# Altium PCB 运输机器人3-1.PcbDoc (part 2 of 2)
Units mm, origin at the board's own origin, x right, y up, seen from the top; angles counter-clockwise.
Board outline 125.02 x 100 mm, 2 copper layers (Top Layer, Bottom Layer); 140 components, 101 nets, 574 pads, 150 vias.
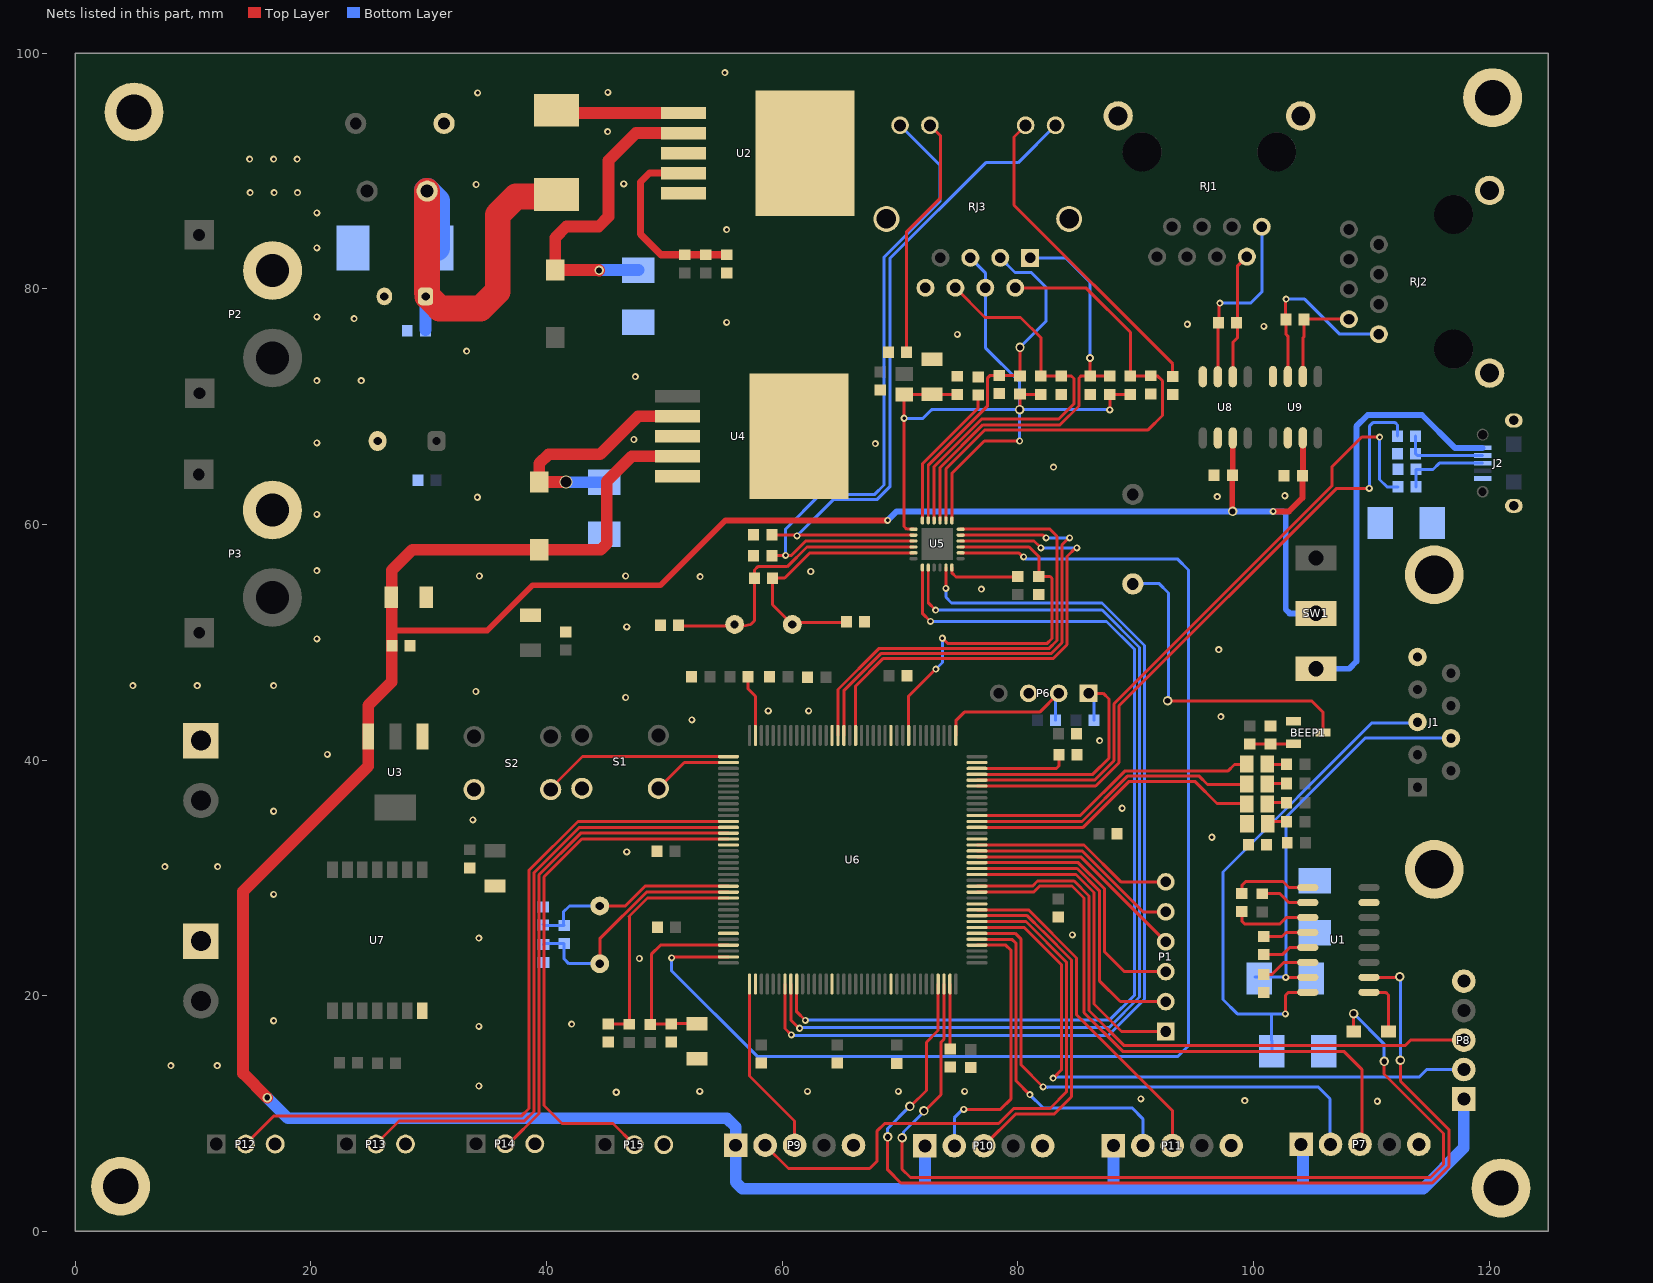
[diagram p2: the nets of this part, all layers, seen from the top]

## Via types
v1: diameter 0.6, hole 0.3, Top Layer to Bottom Layer, 131 vias
v2: diameter 0.8, hole 0.5, Top Layer to Bottom Layer, 15 vias
v3: diameter 0.6, hole 0.35, Top Layer to Bottom Layer, 2 vias
v4: diameter 1.1, hole 0.9, Top Layer to Bottom Layer, 1 vias
v5: diameter 0.66, hole 0.36, Top Layer to Bottom Layer, 1 vias

## Nets (pads, with @x,y where several pads share a name; then routed paths per layer and width w, separated by ;. In a path a pad name is that pad's centre, name@x,y a point inside that pad or via, vN(x,y) a via of type N, cw(c..) or ccw(c..) an arc to the next point about the centre after c; other vN are vias at no path point) (continued)
ETH_RESET: R17.2 U5.15 U6.117 | length 34.2
  Top Layer w0.254: U6.117@70.739,42.097 70.739,45.441 72.949,47.65 v1@73.203,47.65 ; v1(73.609,50.343) 74.074,49.878 82.461,49.878 82.904,50.321 82.904,55.425 82.745,55.583 R17.2@81.788,55.583 81.788,57.277 80.971,58.094 U5.15@75.152,58.094
  Bottom Layer w0.254: v1(73.05,47.727) 73.609,48.285 v1(73.609,50.343)
GND: BEEP1.1 C5.2 C6.1 C7.2 C8.2 C9.1 C10.2 C11.1 C12.1 C13.2 C14.2 C15.2 C16.1 C17.1 C18.1 C19.1 C20.2 C21.2 C22.2 C23.2 C24.2 C25.1 C26.1 C27.1 C28.1 C29.2 C30.2 C31.1 C32.1 C33.2 C34.2 C35.1 C36.1 C37.1 C38.1 C39.1 C40.1 C41.1 C42.1 C43.1 C44.1 C45.1 C46.1 D2.1 D3.1 D4.1 D6.1 D7.1 D7.2 D8.1 D9.1 D10.1 D11.1 D11.2 DS4.2 J1.5 J1.10 J1.11 J2.5 J2.6 J2.7 P2.1 P3.1 P4.1 P5.1 P6.3 P7.5 P8.5 P9.5 P10.5 P11.5 P12.3 P13.3 P14.3 P15.3 R1.1 R1.2 R2.1 R4.1 R15.2 R16.2 R17.1 R18.1 R20.2 R21.2 R29.1 R32.1 RJ1.9 RJ1.10 RJ2.9 RJ2.10 RJ3.8 RJ3.13 RJ3.14 S1.2 S2.2 U1.15 U2.0 U2.3 U2.5 U3.1 U4.0 U4.3 U4.5 U6.16 U6.31 U6.38 U6.51 U6.61 U6.83 U6.94 U6.107 U6.120 U6.130 U7.8 U8.2 U8.8 U9.2 U9.8 via1.1 via2.1 via3.1 via4.1
  other v1: 110.515,11.049 99.263,11.1 90.449,11.252 45.923,11.811 53.01,11.887 62.154,11.887 69.875,11.887 75.489,11.887 34.265,12.344 8.128,14.072 12.065,14.072 34.265,17.399 42.139,17.602 16.84,17.882 47.879,23.165 34.265,24.892 84.633,25.171 16.84,28.6 7.62,30.963 12.09,30.963 46.812,32.207 96.469,33.452 33.757,34.925 16.84,35.662 88.849,35.916 21.412,40.488 86.944,41.656 52.349,43.409 97.231,43.688 58.826,44.171 62.255,44.171 46.711,45.314 34.011,45.822 4.902,46.33 10.363,46.33 16.84,46.33 97.053,49.378 20.523,50.292 46.812,51.308 76.911,54.508 53.035,55.575 34.315,55.626 46.711,55.626 62.433,56.007 20.523,56.083 20.523,60.858 34.138,62.306 96.926,62.357 102.667,62.433 83.033,64.872 67.92,66.853 20.523,66.929 47.422,67.208 20.523,72.212 24.282,72.212 47.549,72.542 33.223,74.701 74.879,76.124 100.889,76.81 94.386,76.987 55.296,77.14 23.673,77.47 20.523,77.622 20.523,83.464 55.296,85.014 20.523,86.436 14.859,88.163 16.891,88.163 18.872,88.163 34.036,88.849 46.558,88.9 14.808,91.008 16.84,91.008 18.847,91.008 45.187,93.345 34.163,96.622 45.212,96.672 55.143,98.349
HC-SR05-1: P10.2 U6.76 | length 23.5
  Top Layer w0.254: v1(75.413,10.363) 78.537,10.363 79.441,11.268 79.441,23.835 78.98,24.297 U6.76@76.539,24.297
  Bottom Layer w0.254: P10.2@74.614,7.264 74.614,9.641 75.336,10.363 v1(75.413,10.363)
HC-SR05-2: P11.2 U6.77 | length 29.5
  Top Layer w0.254: U6.77@76.539,24.797 79.496,24.797 79.865,24.427 79.865,12.768 v1(81.026,11.608)
  Bottom Layer w0.254: v1(81.026,11.608) 82.144,10.49 89.687,10.49 90.616,9.561 P11.2@90.616,7.29
HC-SR05-3: P7.2 U6.78 | length 46.1
  Top Layer w0.254: U6.78@76.539,25.297 79.783,25.297 80.289,24.79 80.289,14.122 v1(82.144,12.268)
  Bottom Layer w0.254: v1(82.144,12.268) 82.474,12.268 82.499,12.243 ; 82.525,12.217 82.499,12.243 ; P7.2@106.698,7.29 106.502,7.486 106.502,11.252 105.512,12.243 82.499,12.243
HC-SR05-4: P8.2 U6.79 | length 53.6
  Top Layer w0.254: U6.79@76.539,25.797 80.553,25.797 83.716,22.633 83.716,13.714 v1(83.007,13.005)
  Bottom Layer w0.254: v1(83.007,13.005) 83.091,13.089 114.054,13.089 114.706,13.741 P8.2@117.856,13.741
HC-SR05-5: P9.2 U6.80 | length 50.6
  Top Layer w0.254: P9.2@58.558,7.315 60.539,5.334 67.437,5.334 68.072,5.969 68.072,8.534 68.707,9.169 78.384,9.169 79.654,10.439 82.728,10.439 84.14,11.852 84.14,22.854 80.698,26.297 U6.80@76.539,26.297
HC-SR05-TIM-1: P10.3 U6.81 | length 30.4
  Top Layer w0.254: U6.81@76.539,26.797 80.798,26.797 82.101,25.494 82.111,25.494 84.564,23.04 84.564,11.438 83.083,9.957 79.807,9.957 P10.3@77.114,7.264
HC-SR05-TIM-2: P11.3 U6.82 | length 29.4
  Top Layer w0.254: U6.82@76.539,27.297 80.907,27.297 84.988,23.216 84.988,18.39 93.116,10.262 P11.3@93.116,7.29
HC-SR05-TIM-3: P7.3 U6.85 | length 51.5
  Top Layer w0.254: U6.85@76.539,28.797 81.339,28.797 81.854,29.312 84.607,29.312 85.623,28.296 85.623,18.567 88.9,15.291 107.671,15.291 109.198,13.763 P7.3@109.198,7.29
HC-SR05-TIM-4: P8.3 U6.86 | length 53.8
  Top Layer w0.254: U6.86@76.539,29.297 81.24,29.297 81.679,29.736 84.783,29.736 86.047,28.471 86.047,18.743 88.992,15.799 112.903,15.799 113.346,16.241 P8.3@117.856,16.241 P8.3@117.413,15.799
HC-SR05-TIM-5: P9.3 U6.37 | length 15.3
  Top Layer w0.254: U6.37@57.239,20.997 57.239,13.195 61.058,9.376 P9.3@61.058,7.315
HW-1: P12.2 U6.12 | length 64.1
  Top Layer w0.254: P12.2@14.478,7.417 16.873,9.812 37.905,9.812 38.528,10.436 38.528,30.654 42.671,34.797 U6.12@55.439,34.797
HW-2: P13.2 U6.13 | length 52.9
  Top Layer w0.254: P13.2@25.538,7.417 27.494,9.373 38.125,9.373 38.938,10.185 38.938,10.246 38.952,10.26 38.952,30.443 42.806,34.297 U6.13@55.439,34.297
HW-3: P14.2 U6.14 | length 41.7
  Top Layer w0.254: P14.2@36.514,7.442 36.805,7.442 39.376,10.014 39.376,30.267 42.905,33.797 U6.14@55.439,33.797
HW-4: P15.2 U6.15 | length 45.4
  Top Layer w0.254: P15.2@47.458,7.366 45.655,9.169 41.326,9.169 39.8,10.695 39.8,30.092 43.005,33.297 U6.15@55.439,33.297
KEY0: S1.1 U6.2 | length 6.8
  Top Layer w0.254: S1.1@49.503,37.603 51.698,39.797 U6.2@55.439,39.797
KEY1: S2.1 U6.1 | length 16.2
  Top Layer w0.254: S2.1@40.385,37.628 43.054,40.297 U6.1@55.439,40.297
LED1: DS1.2 U6.96 | length 25.4
  Top Layer w0.254: U6.96@76.539,34.297 85.554,34.297 89.459,38.202 95.021,38.202 96.901,36.322 99.449,36.322 DS1.2@99.525,36.398
LED2: DS2.2 U6.97 | length 25
  Top Layer w0.254: U6.97@76.539,34.797 85.454,34.797 89.291,38.633 95.402,38.633 96.097,37.939 99.424,37.939 99.5,38.015 DS2.2@99.39,38.125
LED3: DS3.2 U6.98 | length 25
  Top Layer w0.254: U6.98@76.539,35.297 85.309,35.297 89.078,39.065 97.815,39.065 98.383,39.632 99.551,39.632 DS3.2@99.441,39.522
LINK_LED: R15.1 RJ3.12 U5.3 | length 58.5
  Top Layer w0.254: R15.1@59.123,57.353 60.757,57.353 61.997,58.594 68.961,58.594 ; 69.012,58.594 U5.3@71.152,58.594
  Bottom Layer w0.254: v1(60.3,57.379) 60.3,59.614 63.246,62.56 67.869,62.56 68.656,63.348 68.656,82.677 73.381,87.401 73.381,90.502 RJ3.12@70.006,93.876
NetBEEP1_2: BEEP1.2 R27.2 R29.2 | length 3.7
  Top Layer w0.254: R27.2@99.67,41.369 R29.2@101.448,41.369 103.375,41.369 BEEP1.2@103.398,41.392
NetBEEP1_3: BEEP1.3 BEEP.2 | length 27.3
  Top Layer w0.254: v2(92.71,45.034) 104.927,45.034 105.898,44.064 BEEP1.3@105.898,42.342
  Bottom Layer w0.254: BEEP.2@90.322,55.001 91.963,55.001 92.786,54.178 92.786,45.11 v2(92.71,45.034)
NetC1_1: C1.1 R2.2 R3.1 U2.4 | length 16.4
  Top Layer w0.6: U2.4@51.638,89.814 48.743,89.814 47.981,89.052 47.981,84.633 49.725,82.888 R3.1@51.74,82.888 C1.1@53.518,82.888 R2.2@55.296,82.888
NetC2_1: C2.1 U1.2 | length 4.2
  Top Layer w0.254: C2.1@100.762,28.659 102.252,28.659 102.997,27.915 U1.2@104.613,27.915
NetC3_1: C3.1 U1.3 | length 6.7
  Top Layer w0.254: C3.1@99.009,27.137 99.009,26.34 99.238,26.111 102.26,26.111 102.794,26.645 U1.3@104.613,26.645
NetC3_2: C3.2 U1.1 | length 6.6
  Top Layer w0.254: C3.2@99.009,28.677 99.009,29.362 99.339,29.693 102.514,29.693 103.022,29.185 U1.1@104.613,29.185
NetC4_1: C4.1 U1.4 | length 3.9
  Top Layer w0.254: C4.1@100.863,25.027 102.421,25.027 102.768,25.375 U1.4@104.613,25.375
NetC4_2: C4.2 U1.5 | length 4
  Top Layer w0.254: C4.2@100.863,23.487 102.456,23.487 103.073,24.105 U1.5@104.613,24.105
NetC6_2: C6.2 C7.1 D1.1 D2.2 F1.2 | length 35.6
  Top Layer w2.2: C7.1@29.88,79.664 F1.2@29.88,88.29 ; C7.1@29.921,79.35 30.937,78.334 34.417,78.334 35.865,79.781 35.865,86.284 37.402,87.821 D1.1@40.742,87.821
  Bottom Layer w1: C6.2@29.743,76.505 C7.1@29.743,79.35
  Bottom Layer w2.2: F1.2@29.88,88.29 30.721,87.45 D2.2@30.721,83.464
NetC10_1: C10.1 U1.6 | length 4.2
  Top Layer w0.254: C10.1@100.889,21.801 101.557,21.801 102.591,22.835 U1.6@104.613,22.835
NetC18_2: C18.2 R19.2 U5.5 Y1.1 | length 22.1
  Top Layer w0.254: Y1.1@60.79,51.672 C18.2@65.43,51.672 ; Y1.1@60.87,51.511 59.19,53.191 R19.2@59.19,55.448 60.223,55.448 62.369,57.594 U5.5@71.152,57.594
NetC19_2: C19.2 R19.1 U5.4 Y1.2 | length 25
  Top Layer w0.254: C19.2@51.384,51.384 56.707,51.384 57.328,51.511 57.65,51.833 R19.1@57.65,55.448 57.65,56.126 57.937,56.413 60.427,56.413 62.107,58.094 U5.4@71.152,58.094
NetC27_2: C27.2 R25.2 U6.23 Y2.1 | length 17.9
  Top Layer w0.254: Y2.1@44.526,27.621 46.697,27.621 48.372,29.297 U6.23@55.439,29.297
  Bottom Layer w0.254: C27.2@39.726,26.052 39.811,25.967 R25.2@41.504,25.967 41.427,26.043 41.427,27.102 41.947,27.621 Y2.1@44.526,27.621
NetC28_2: C28.2 R25.1 U6.24 Y2.2 | length 21.1
  Top Layer w0.254: Y2.2@44.343,22.716 Y2.2@44.437,22.81 ; Y2.2@44.526,22.721 44.526,24.841 48.482,28.797 U6.24@55.439,28.797
  Bottom Layer w0.254: C28.2@39.751,24.367 39.811,24.427 R25.1@41.504,24.427 41.504,23.114 41.896,22.721 Y2.2@44.526,22.721
NetC29_1: C29.1 U6.71 | length 5.6
  Top Layer w0.254: U6.71@74.239,20.997 74.239,15.634 C29.1@74.397,15.477
NetC30_1: C30.1 U6.106 | length 8
  Top Layer w0.254: U6.106@76.539,39.297 83.284,39.297 83.482,39.495 C30.1@83.482,40.437
NetC31_2: C31.2 C32.2 R31.1 U6.33 | length 16.8
  Top Layer w0.254: R31.1@48.819,17.568 R31.1@48.87,17.619 ; C31.2@52.781,17.628 50.606,17.628 C32.2@50.597,17.619 R31.1@48.87,17.619 ; U6.33@55.439,24.297 49.671,24.297 48.895,23.52 48.895,17.644 R31.1@48.87,17.619
NetD1_2: D1.2 U2.1 | length 10.9
  Top Layer w1: D1.2@40.742,94.958 40.785,94.914 U2.1@51.638,94.914
NetD5_2: D5.2 U1.9 | length 4.8
  Top Layer w0.254: U1.9@109.813,20.295 111.227,20.295 111.457,20.064 D5.2@111.457,16.967
NetD6_2: D6.2 L1.1 U2.2 | length 27
  Top Layer w1: v2(44.475,81.559) 44.44,81.595 L1.1@40.742,81.595 40.742,84.328 41.699,85.285 44.432,85.285 45.263,86.116 45.263,90.881 47.596,93.214 U2.2@51.638,93.214
  Bottom Layer w1: v2@44.679,81.585 D6.2@47.803,81.585
NetD8_2: D8.2 L2.1 U4.2 | length 20.3
  Top Layer w1: v4@41.681,63.627 v4(41.656,63.602) L2.1@39.395,63.602 39.395,65.176 40.183,65.964 44.552,65.964 47.777,69.19 U4.2@51.13,69.19
  Bottom Layer w1: v4@41.885,63.576 D8.2@44.907,63.576
NetD9_2: D9.2 J2.2 R6.2 | length 7.2
  Bottom Layer w0.254: R6.2@113.767,67.488 D9.2@113.767,65.989 113.904,65.852 J2.2@119.448,65.852
NetD10_2: D10.2 J2.3 R7.2 | length 7.4
  Bottom Layer w0.254: R7.2@113.8,63.195 113.792,63.203 D10.2@113.792,64.668 115.24,64.668 115.773,65.202 J2.3@119.448,65.202
NetDS1_1: DS1.1 R24.2 | length 1.8
  Top Layer w0.254: DS1.1@101.065,36.398 R24.2@102.819,36.398
NetDS2_1: DS2.1 R26.2 | length 1.8
  Top Layer w0.254: DS2.1@101.04,38.015 R26.2@102.819,38.015
NetDS3_1: DS3.1 R28.2 | length 1.7
  Top Layer w0.254: DS3.1@101.091,39.632 R28.2@102.819,39.632
NetDS4_1: DS4.1 R30.2 | length 1.7
  Top Layer w0.254: DS4.1@101.141,34.781 R30.2@102.819,34.781
NetJ2_1: J2.1 SW1.3 | length 35.9
  Bottom Layer w0.5: SW1.3@105.308,47.751 108.127,47.751 108.737,48.362 108.737,68.326 109.703,69.291 114.3,69.291 117.094,66.497 119.443,66.497 J2.1@119.448,66.502
NetR10_2: R10.2 U5.12 | length 6.2
  Top Layer w0.254: U5.12@74.402,56.344 74.402,55.9 74.752,55.55 R10.2@80.01,55.55
NetR18_2: R18.2 U5.24 | length 12.6
  Top Layer w0.254: U5.24@71.902,60.344 71.902,65.12 76.632,69.85 R18.2@76.632,70.968
NetR20_1: R20.1 RJ3.11 | length 20.9
  Top Layer w0.254: R20.1@70.569,74.6 70.569,84.844 73.457,87.732 73.457,92.962 RJ3.11@72.542,93.876
NetR21_1: R21.1 RJ3.10 | length 27.3
  Top Layer w0.254: RJ3.10@80.67,93.876 79.68,92.886 79.68,87.097 93.142,73.635 R21.1@93.142,72.568
NetR33_1: R33.1 U6.143 | length 5.3
  Top Layer w0.254: R33.1@57.099,47.092 57.099,46.05 57.739,45.41 U6.143@57.739,42.097
NetR34_1: R34.1 RJ1.1 U8.7 | length 16.3
  Top Layer w0.254: U8.7@96.977,72.535 96.977,76.97 97.096,77.089 v1@97.096,78.757 ; RJ1.1@100.202,85.267 RJ1.1@100.711,85.267
  Bottom Layer w0.254: v1(97.155,78.791) 99.771,78.791 100.711,79.731 RJ1.1@100.711,85.267
NetR34_2: R34.2 RJ1.2 U8.6 | length 10.9
  Top Layer w0.254: U8.6@98.382,72.67 U8.6@98.247,72.535 98.247,75.438 98.628,75.819 98.628,81.914 RJ1.2@99.441,82.727
NetR35_1: R35.1 RJ2.1 U9.7 | length 16
  Top Layer w0.254: R35.1@102.735,77.191 v1@102.735,79.138 ; R35.1@102.76,77.394 102.76,76.132 102.921,75.971 U9.7@102.921,72.552
  Bottom Layer w0.254: v1(102.768,79.121) 104.343,79.121 107.315,76.149 RJ2.1@110.642,76.149
NetR35_2: R35.2 RJ2.2 U9.6 | length 8.7
  Top Layer w0.254: U9.6@104.191,72.552 104.191,75.819 104.275,75.903 104.275,77.419 RJ2.2@108.102,77.419
PG3: P1.1 U6.88 | length 27.1
  Top Layer w0.254: U6.88@76.539,30.297 84.943,30.297 86.471,28.768 86.471,19.294 88.798,16.967 P1.1@92.558,16.967
PG4: P1.2 U6.89 | length 25.2
  Top Layer w0.254: U6.89@76.539,30.797 85.043,30.797 86.919,28.921 86.919,21.285 88.697,19.507 P1.2@92.558,19.507
PG5: P1.3 U6.90 | length 23
  Top Layer w0.254: U6.90@76.539,31.297 85.142,31.297 87.343,29.096 87.343,23.757 89.052,22.047 P1.3@92.558,22.047
PG6: P1.4 U6.91 | length 19
  Top Layer w0.254: U6.91@76.539,31.797 85.348,31.797 P1.4@92.558,24.587
PG7: P1.5 U6.92 | length 18.2
  Top Layer w0.254: U6.92@76.539,32.297 85.448,32.297 90.617,27.127 P1.5@92.558,27.127
PG8: P1.6 U6.93 | length 17.3
  Top Layer w0.254: U6.93@76.539,32.797 76.545,32.791 85.623,32.791 88.748,29.667 P1.6@92.558,29.667
RESET: C11.2 R5.1 U6.25 | length 20.2
  Top Layer w0.254: C11.2@45.263,17.61 46.888,17.61 47.041,17.458 R5.1@47.041,17.585 47.041,26.705 47.015,26.731 48.581,28.297 U6.25@55.439,28.297
RMII_CRS_DV: U5.11 U6.43 | length 86.9
  Top Layer w0.254: U6.43@60.239,20.997 60.239,17.231 v1(60.782,16.688) ; v1(73.902,54.571) U5.11@73.902,56.344
  Bottom Layer w0.254: v1(60.782,16.688) 60.82,16.65 87.699,16.65 90.764,19.715 90.764,49.729 87.153,53.34 74.385,53.34 73.902,53.823 v1(73.902,54.571)
RMII_REF_CLK: U5.14 U6.35 | length 113.5
  Top Layer w0.254: v1(50.622,23.216) 50.703,23.297 U6.35@55.439,23.297 ; U5.14@75.127,57.594 U5.14@75.152,57.594 80.074,57.594 80.416,57.252 v1(80.493,57.252)
  Bottom Layer w0.254: v1(50.622,23.216) 50.622,22.123 57.887,14.859 93.589,14.859 94.48,15.75 94.48,56.132 93.533,57.079 80.666,57.079 v1(80.493,57.252)
RMII_RXD0: U5.8 U6.44 | length 86.2
  Top Layer w0.254: U6.44@60.739,20.997 60.739,17.95 61.443,17.247 v1(61.493,17.247) ; U5.8@72.402,56.344 72.402,53.353 v1(73.025,52.73)
  Bottom Layer w0.254: v1(61.493,17.247) 61.557,17.31 87.76,17.31 90.34,19.89 90.34,49.553 87.163,52.73 v1@73.05,52.73
RMII_RXD1: U5.7 U6.45 | length 84.6
  Top Layer w0.254: U6.45@61.239,20.997 61.239,18.644 v1(61.976,17.907) ; U5.7@71.902,56.344 71.902,52.456 v1(72.593,51.765)
  Bottom Layer w0.254: v1@62.103,17.958 87.808,17.958 89.916,20.066 89.916,49.378 87.528,51.765 v1(72.593,51.765)
RMII_TX_EN: U5.16 U6.126 | length 42.3
  Top Layer w0.254: U6.126@66.239,42.097 66.239,46.295 68.55,48.606 82.987,48.606 84.176,49.794 84.176,57.277 84.912,58.014 v1(85.014,58.014) ; U5.16@75.152,58.594 81.386,58.594 v1(81.966,58.014)
  Bottom Layer w0.254: v1(81.966,58.014) v1(85.014,58.014)
RMII_TXD0: U5.17 U6.128 | length 42.5
  Top Layer w0.254: U6.128@65.239,42.097 65.239,45.894 68.375,49.03 82.812,49.03 83.752,49.97 83.752,58.275 v1@84.328,58.852 ; U5.17@75.152,59.094 82.156,59.094 v1(82.398,58.852)
  Bottom Layer w0.254: v1(82.398,58.852) v1(84.404,58.852)
RMII_TXD1: U5.18 U6.129 | length 41.5
  Top Layer w0.254: U6.129@64.739,42.097 64.739,45.994 68.199,49.454 82.636,49.454 83.328,50.145 83.328,58.994 82.728,59.594 U5.18@75.152,59.594
RS232_RXD: D3.2 J1.3 U1.8 | length 44.8
  Top Layer w0.254: v1(102.718,18.466) 102.718,20.041 102.972,20.295 U1.8@104.613,20.295
  Bottom Layer w0.254: D3.2@101.562,15.291 101.562,16.205 101.549,16.218 101.549,18.466 ; v1(102.718,18.466) 101.549,18.466 ; J1.3@113.568,43.163 110.067,43.163 97.409,30.505 97.409,19.685 98.628,18.466 101.549,18.466
RS232_TXD: D4.2 J1.7 U1.7 | length 34.5
  Top Layer w0.254: v1(102.743,21.565) U1.7@104.613,21.565
  Bottom Layer w0.254: D4.2@100.14,21.59 102.718,21.59 v1(102.743,21.565) 102.743,35.128 109.474,41.859 116.332,41.859 J1.7@116.408,41.783
SPEED_LED: R16.1 RJ3.9 U5.2 | length 59.8
  Top Layer w0.254: R16.1@59.131,59.131 59.169,59.094 61.265,59.094 v1(61.265,59.03) v1@61.443,59.03 ; v1@61.443,59.094 69.977,59.094 ; 70.002,59.094 U5.2@71.152,59.094
  Bottom Layer w0.254: v1(61.265,59.03) 64.371,62.136 68.08,62.136 69.139,63.195 69.139,82.56 77.282,90.703 80.034,90.703 RJ3.9@83.206,93.876
SWCLK: P6.2 R8.2 U6.109 | length 13.3
  Top Layer w0.254: U6.109@74.739,42.097 74.739,43.345 75.463,44.069 81.864,44.069 P6.2@83.464,45.669
  Bottom Layer w0.254: R8.2@83.218,43.383 83.218,45.423 P6.2@83.464,45.669
SWDIO: P6.1 R9.2 U6.105 | length 21.2
  Top Layer w0.254: U6.105@76.539,38.797 86.371,38.797 87.739,40.165 87.739,45.179 87.249,45.669 P6.1@86.004,45.669
  Bottom Layer w0.254: P6.1@86.004,45.669 86.47,45.204 R9.2@86.47,43.383
TPRX+: C23.1 R13.1 RJ3.3 U5.23 | length 30.4
  Top Layer w0.254: U5.23@72.402,60.344 72.402,65.021 77.445,70.063 77.445,72.441 77.656,72.652 C23.1@78.435,72.652 80.137,72.652 R13.1@80.188,72.601 v2(80.188,75.032)
  Bottom Layer w0.254: RJ3.3@78.516,82.626 79.761,81.382 81.153,81.382 82.398,80.137 82.398,77.241 v2(80.188,75.032)
TPRX-: C24.1 R14.1 RJ3.6 U5.22 | length 35.9
  Top Layer w0.254: U5.22@72.902,60.344 72.902,64.921 76.917,68.936 83.464,68.936 84.764,70.235 84.764,72.386 84.566,72.584 C24.1@83.693,72.584 R14.1@81.966,72.584 81.966,75.846 80.241,77.572 77.221,77.572 RJ3.6@74.706,80.086
TPTX+: C21.1 R11.1 RJ3.1 U5.21 | length 37.4
  Top Layer w0.254: U5.21@73.402,60.344 73.402,64.821 77.034,68.453 83.581,68.453 85.188,70.059 85.188,72.437 85.335,72.584 C21.1@86.14,72.584 ; v5(86.14,74.126) C21.1@86.14,72.584 ; R11.1@87.808,72.584 C21.1@86.14,72.584
  Bottom Layer w0.254: RJ3.1@81.056,82.626 84.076,82.626 86.14,80.562 v5(86.14,74.126)
TPTX-: C22.1 R12.1 RJ3.2 U5.20 | length 45.5
  Top Layer w0.254: U5.20@73.902,60.344 73.902,64.722 77.209,68.029 91.067,68.029 92.278,69.24 92.278,72.187 91.846,72.619 C22.1@91.288,72.619 91.253,72.584 R12.1@89.56,72.584 89.56,76.302 85.776,80.086 RJ3.2@79.786,80.086
USART3-232-RX: D5.1 U6.70 | length 81.6
  Top Layer w0.254: v2(70.18,7.95) 70.18,5.283 70.891,4.572 115.021,4.572 116.129,5.68 116.129,8.306 111.074,13.36 v2@111.074,14.478 ; v2@72.06,10.185 73.483,11.608 73.483,16.065 73.739,16.321 U6.70@73.739,20.997 ; D5.1@108.507,16.967 v2(108.507,18.489)
  Bottom Layer w0.254: v2@70.46,7.874 70.307,8.026 70.307,8.433 72.034,10.16 v2(72.034,10.236) ; v2(108.507,18.489) 111.1,15.897 v2(111.1,14.427)
USART3-232-TX: U1.10 U6.69 | length 86.7
  Top Layer w0.254: v2(68.961,8.026) 68.961,5.232 70.079,4.115 115.164,4.115 116.586,5.537 116.586,8.636 112.471,12.751 v2(112.471,14.529) ; v2(70.841,10.617) 70.891,10.617 72.245,11.971 72.245,16.051 73.239,17.044 U6.69@73.239,20.997 ; U1.10@109.813,21.565 112.37,21.565 v2(112.42,21.615)
  Bottom Layer w0.254: v2(68.961,8.026) 68.961,8.738 v2(70.841,10.617) ; v2(112.42,21.615) 112.471,21.565 v2(112.471,14.529)
USB_D+: R7.1 U6.104 | length 55.4
  Top Layer w0.254: U6.104@76.539,38.297 86.511,38.297 88.163,39.95 88.163,44.78 106.655,63.271 106.655,64.872 109.195,67.412 v1(110.703,67.412)
  Bottom Layer w0.254: v1(110.703,67.412) 110.703,63.821 111.328,63.195 R7.1@112.26,63.195
USB_D-: R6.1 U6.103 | length 55.4
  Top Layer w0.254: U6.103@76.539,37.797 86.61,37.797 88.595,39.782 88.595,44.602 107.061,63.068 v1(109.83,63.068)
  Bottom Layer w0.254: v1(109.83,63.068) 109.83,68.326 110.134,68.631 112.033,68.631 112.227,68.437 R6.1@112.227,67.488
VCC3.3E: C17.2 C20.1 L3.1 R11.2 R12.2 R13.2 R14.2 RJ3.4 RJ3.5 U5.1 U5.19 | length 68.8
  Top Layer w0.254: U5.1@71.152,59.594 70.587,59.594 70.353,59.828 70.353,71.018 L3.1@70.358,71.024 70.378,71.044 C17.2@72.72,71.044 72.728,71.036 C20.1@74.879,71.036 ; U5.19@74.402,60.344 74.402,64.318 77.165,67.081 v1(80.162,67.081) ; v2(80.162,69.748) 80.188,69.774 R13.2@80.188,71.061 80.205,71.044 R14.2@81.966,71.044 ; v1@87.782,69.698 v1(87.808,69.723) R11.2@87.808,71.044 R12.2@89.56,71.044
  Bottom Layer w0.254: v1(70.358,69.012) 71.958,69.012 72.695,69.748 72.72,69.723 72.746,69.748 v2(80.162,69.748) ; RJ3.5@75.976,82.626 77.246,81.356 RJ3.4@77.246,80.086 77.246,75.001 80.162,72.085 v2(80.162,69.748) ; v1(80.162,67.081) v2(80.162,69.748) ; v1(87.808,69.723) 87.782,69.748 87.757,69.723 87.732,69.748 v2(80.162,69.748)
VUSB: C12.2 C13.1 C33.1 C34.1 L2.2 P7.1 P8.1 P9.1 P10.1 P11.1 SW1.2 U3.3 U4.4 U8.3 U9.3 | length 312
  Top Layer w0.5: 26.876,51.003 34.976,51.003 38.811,54.839 49.682,54.839 55.194,60.35 v1(68.961,60.35) ; C33.1@98.204,64.186 98.204,61.13 v2(98.226,61.108) ; C33.1@98.247,64.219 U8.3@98.247,67.335 ; v1(101.676,61.112) 103.022,61.112 104.148,62.238 C34.1@104.148,64.135 ; C34.1@104.191,64.305 U9.3@104.191,67.352
  Top Layer w1: v2(16.307,11.354) 14.249,13.411 14.249,28.854 24.878,39.483 U3.3@24.878,41.989 24.878,44.639 26.876,46.637 26.876,51.003 26.876,56.111 28.626,57.861 L2.2@39.395,57.861 44.602,57.861 45.11,58.369 45.11,63.652 47.248,65.79 U4.4@51.13,65.79
  Bottom Layer w0.5: v1(68.961,60.35) 69.723,61.112 v1(101.676,61.112) 102.54,61.112 102.743,60.909 102.743,52.781 103.073,52.451 SW1.2@105.308,52.451 ; SW1.2@105.029,52.349 SW1.2@105.766,52.349
  Bottom Layer w1: v2(16.307,11.354) 18.059,9.601 55.321,9.601 56.058,8.865 P9.1@56.058,7.315 56.058,4.191 56.617,3.632 72.568,3.632 ; P10.1@72.114,7.264 72.114,4.086 72.568,3.632 ; P11.1@88.116,7.29 88.116,3.632 ; 104.198,3.777 P7.1@104.198,7.29 ; P8.1@117.856,11.241 117.856,7.087 114.402,3.632 88.116,3.632 ; 72.568,3.632 88.116,3.632
pads on no net: J1.1 J1.2 J1.4 J1.6 J1.8 J1.9 J2.4 J2.8 J2.MH1 J2.MH2 P2.0 P3.0 P7.4 P8.4 P9.4 P10.4 P11.4 RJ1. RJ1.3 RJ1.4 RJ1.5 RJ1.6 RJ1.7 RJ1.8 RJ2. RJ2.3 RJ2.4 RJ2.5 RJ2.6 RJ2.7 RJ2.8 RJ3.7 S1.3 S1.4 S2.3 S2.4 SW1.1 U1.11 U1.12 U1.13 U1.14 U5.0 U5.6 U5.10 U6.3 U6.4 U6.5 U6.6 U6.7 U6.8 U6.9 U6.18 U6.19 U6.20 U6.21 U6.22 U6.26 U6.28 U6.29 U6.32 U6.34 U6.40 U6.41 U6.42 U6.46 U6.47 U6.48 U6.49 U6.50 U6.53 U6.54 U6.55 U6.56 U6.57 U6.58 U6.59 U6.60 U6.63 U6.64 U6.65 U6.66 U6.67 U6.68 U6.75 U6.87 U6.100 U6.101 U6.102 U6.110 U6.111 U6.112 U6.113 U6.116 U6.118 U6.119 U6.122 U6.123 U6.124 U6.125 U6.127 U6.132 U6.133 U6.134 U6.135 U6.136 U6.137 U6.139 U6.140 U6.141 U6.142 U7.2 U7.3 U7.4 U7.5 U7.6 U7.9 U7.10 U7.13 U7.14 U8.5 U9.5

## Polygon pours and split planes (outlines as drawn)
GND on Bottom Layer "NONET_L-01_P-001" (solid, pour order 36): 0.33,99.746 0.406,99.67 124.739,99.67 124.739,0.254 124.714,0.279 0.305,0.279
GND on Top Layer "NONET_L-01_P-001" (solid, pour order 38): 0.457,99.619 124.689,99.619 124.714,99.644 124.739,99.619 124.739,0.279 0.33,0.279

## Keep-outs
Keep-Out Layer:
  lines w0.254: 125,0 125.019,100 0,100 0,0 125.019,0

## Silkscreen, mask and mechanical layers (free items; w line width, h text height)
Top Overlay:
  text "j降压24-12V" at 58.445,97.231 h1
  text "压敏电阻" at 26.035,96.749 h1
  text "保险丝" at 26.619,90.678 h1
  text "GND" at 21.59,78.74 h1 r90
  text "WAN" at 63.602,78.613 h1
  text "CAN1" at 88.468,78.08 h1
  text "降压12-5V" at 57.277,73.635 h1
  text "24V" at 21.996,71.882 h1 r90
  text "CAN2" at 108.534,70.383 h1
  text "24V电源" at 8.89,67.208 h1
  text "GND" at 22.123,59.03 h1 r90
  text "OFF" at 96.393,55.601 h1
  text "24V" at 21.971,50.775 h1 r90
  text "3.3V" at 78.41,47.473 h1 r90
  text "GND" at 81.001,47.447 h1 r90
  text "SWCLK" at 83.668,47.269 h1 r90
  text "SWIO" at 86.69,47.269 h1 r90
  text "ON" at 97.739,46.914 h1
  text "GND" at 15.773,39.726 h1 r90
  text "12V" at 15.723,33.807 h1 r90
  text "12V电源" at 4.267,29.591 h1
  text "PG8" at 88.392,29.413 h1
  text "PG7" at 88.57,26.797 h1
  text "RS232" at 112.547,25.679 h1
  text "PG6" at 88.443,24.257 h1
  text "GND" at 15.57,21.92 h1 r90
  text "PG5" at 88.367,21.666 h1
  text "PG4" at 88.316,19.177 h1
  text "PD15_TIM4_4" at 115.9,17.12 h1.5 r90
  text "PG3" at 88.316,16.637 h1
  text "12V" at 15.443,16.51 h1 r90
  text "PD10_4" at 115.875,12.217 h1.5 r90
  text "5V" at 115.875,10.541 h1.5 r90
  text "12V" at 21.895,9.5 h1
  text "HW2-PF3" at 24.714,9.5 h1.5
  text "12V" at 11.278,9.398 h1
  text "5V" at 87.351,9.373 h1.5
  text "12V" at 33.198,9.347 h1
  text "HW1-PF2" at 13.868,9.322 h1.5
  text "PD8_2" at 89.002,9.246 h1.5
  text "HW3-PF4" at 36.22,9.195 h1.5
  text "PD13_TIM4_2" at 93.167,9.169 h1.5
  text "5V" at 102.692,9.068 h1.5
  text "PD9_3" at 104.521,9.068 h1.5
  text "PB15-1" at 72.695,9.042 h1.5
  text "PD12_TIM4_1" at 77.419,9.042 h1.5
  text "PA3_TIM5_4" at 61.544,8.966 h1.5
  text "5V" at 54.991,8.941 h1.5
  text "PD15-5" at 56.744,8.915 h1.5
  text "PD14_TIM4_3" at 108.712,8.865 h1.5
  text "5V" at 71.018,8.763 h1.5
  text "12V" at 44.323,8.738 h1
  text "HW4-PF5" at 47.193,8.712 h1.5
Bottom Overlay:
  text "USB" at 117.754,67.539 h1 r90
Mechanical 1:
  text "error：L8720的RJ45网口底部不要敷铜" at 56.718,103.403 h3
  text "不足：应引出GND、VCC等空闲线" at 132.283,96.876 h3
  text "error：L8720的原理图与封装" at 60.249,61.925 h3
  text "error：NPN管的方向错误" at 94.082,48.946 h3
  text "error：按键的方向错误" at 29.464,44.552 h3
  text "error：RS232  第7引脚错误" at 118.847,38.633 h3

## Text inside footprints (layer, text, board x,y; h text height)
BEEP: Top Overlay "+" at 91.08,62.746 h1 r315
C7: Top Overlay "+" at 32.243,78.85 h1
J1: Top Overlay "9" at 116.805,50.643 h1 r95; Top Overlay "6" at 116.957,36.572 h1 r95; Top Overlay "1" at 113.911,36.431 h1 r90; Top Overlay "5" at 113.81,50.579 h1 r90
U7: Top Overlay "TX" at 21.391,22.24 h1 r270; Top Overlay "RX" at 22.758,22.24 h1 r270; Top Overlay "SDA" at 24.028,22.24 h1 r270; Top Overlay "SCL" at 25.298,22.24 h1 r270; Top Overlay "SWD" at 26.568,22.24 h1 r270; Top Overlay "SWC" at 27.838,22.24 h1 r270; Top Overlay "GND" at 29.108,22.24 h1 r270; Top Overlay "D5" at 21.452,29.271 h1 r270; Top Overlay "D4" at 22.722,29.271 h1 r270; Top Overlay "D3" at 23.992,29.271 h1 r270; Top Overlay "D2" at 25.262,29.271 h1 r270; Top Overlay "D1" at 26.532,29.271 h1 r270; Top Overlay "D0" at 27.802,29.271 h1 r270; Top Overlay "VCC" at 29.072,29.271 h1 r270